# KiCad board Pico-ButtonBoard-v1.kicad_pcb (continued)
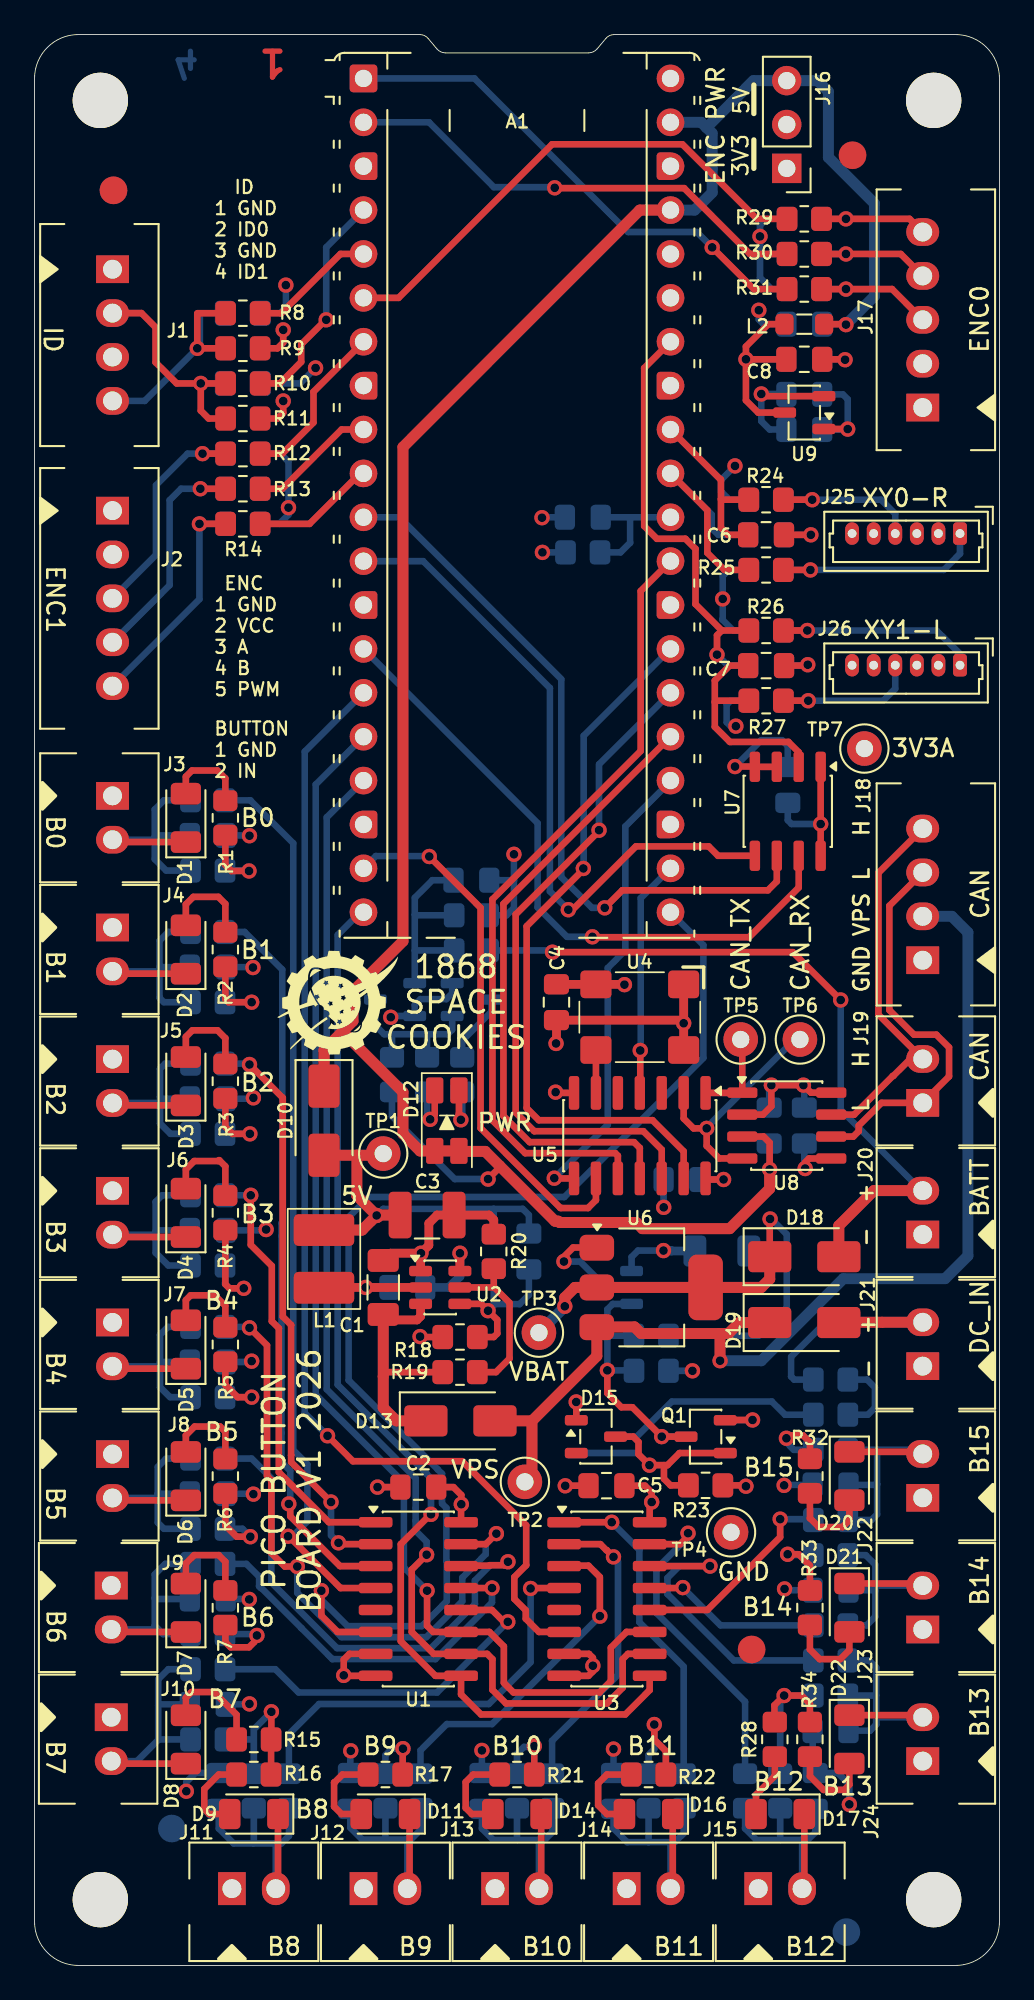
[diagram p0: board, top side]
## Routing (per net, layer and track width the routed paths; a pad name or vN(x,y) marks a point on that pad's centre or on a via; arc(x,y) is an arc through that point) (continued)
Net-(D20-K): length 16
  Top w0.381: D20.1 51.32,29.73 J22.2
  Bottom w0.381: 48.79,27.86 48.74,27.81 C9.1 ; 48.79,27.86 48.79,26.11 48.46,25.78 R38.1 ; 48.79,27.86 48.79,29.84 ; J22.2 51.2,29.84 48.79,29.84 ; 48.79,29.84 R37.2
Net-(D21-A): length 5.2
  Top w0.381: R33.2 44.9,18.29 45.47,17.73 46.66,17.73 47.19,18.26 D21.2
Net-(D21-K): length 15.2
  Top w0.381: D21.1 51.32,22.11 J23.2
  Bottom w0.381: 48.69,21.67 48.69,20.19 48.18,19.69 R40.1 ; 48.69,21.67 48.64,21.72 C10.1 ; 48.69,21.67 48.69,22 ; J23.2 48.7,21.99 48.69,22 ; R39.2 48.13,23.75 48.69,23.19 48.69,22
Net-(D22-A): length 5.1
  Top w0.381: D22.2 47.19,10.46 46.89,10.16 45.69,10.16 44.9,10.95 R34.2
Net-(D22-K): length 15.9
  Top w0.381: J24.2 51.32,14.49 D22.1
  Bottom w0.381: 48.74,13.94 48.74,14.35 48.76,14.37 J24.2 ; 48.74,13.94 48.74,15.65 ; 48.74,13.94 48.39,13.59 C11.1 ; 48.74,15.65 48.72,15.62 R42.2 ; 48.74,15.65 48.74,17.25 48.34,17.65 R41.1
Net-(D23-K): length 16.5
  Top w0.381: Q1.3 v1(36.32,30.61) 34.62,32.31 33.99,32.31 33.17,33.12 v1(33.17,34.44)
  Bottom w0.381: Q1.3 v1(36.32,30.61) ; R54.2 34.69,34.44 v1(33.17,34.44) 33.17,36.45 ; Q2.1 34.57,38.29 33.49,38.29 33.17,37.97 33.17,36.45 ; 33.17,36.45 R53.1
Net-(D24-K): length 12.6
  Bottom w0.381: R36.1 43.46,31.88 42.7,32.64 36.91,32.64 34.87,30.61 D24.3
Net-(J1-Pin_2): length 14
  Top w0.381: v1(9.63,91.57) R10.1 ; v1(9.63,91.57) 9.63,89.99 10.08,89.53 R11.2 ; v1(9.63,91.57) 8.23,91.57 7.01,92.79 7.01,94.82 6.19,95.64 J1.2
  Bottom w0.381: C32.1 v1(9.63,91.57)
Net-(J1-Pin_4): length 15
  Top w0.381: R8.1 9.45,95.63 9.42,95.61 v1(9.42,93.6) R9.2
  Bottom w0.381: J1.4 6.38,90.56 v1(9.42,93.6) 9.58,93.75 9.58,95.61 9.6,95.63 C31.1
Net-(J2-Pin_3): length 13.7
  Top w0.381: v1(9.73,87.5) R12.2
  Bottom w0.381: J2.3 7.04,81.65 7.04,85.67 8.86,87.5 v1(9.73,87.5) R12.2
Net-(J2-Pin_4): length 14.6
  Top w0.381: R13.2 v1(9.6,85.47)
  Bottom w0.381: R13.2 v1(9.6,85.47) 8.48,85.47 7.82,84.81 7.82,79.89 J2.4
Net-(J2-Pin_5): length 14.5
  Top w0.381: v1(9.55,83.44) R14.2
  Bottom w0.381: R14.2 v1(9.55,83.44) 9.55,79.08 J2.5
Net-(J17-Pin_3): length 8
  Top w0.381: R31.2 49.66,97.03 51.44,95.25
  Bottom w0.381: R31.2 v1(46.99,97.03)
Net-(J17-Pin_4): length 7.8
  Top w0.381: R30.2 50.16,99.06 J17.4
  Bottom w0.381: R30.2 v1(46.99,99.06)
Net-(J17-Pin_5): length 7.6
  Top w0.381: R29.2 50.67,101.09 51.44,100.33
  Bottom w0.381: R29.2 v1(46.99,101.09)
Net-(J25-Pin_1): length 13.4
  Top w0.381: v1(44.93,80.77) R25.2
  Bottom w0.381: J25.1 53.59,81.71 52.65,80.77 R25.2
Net-(J25-Pin_4): length 9.6
  Top w0.381: v1(45.03,84.84) R24.2
  Bottom w0.381: J25.4 49.84,84.01 49.02,84.84 R24.2
Net-(J26-Pin_1): length 12.8
  Top w0.381: v1(44.75,77.27) R26.2
  Bottom w0.381: R26.2 52.24,77.27 53.59,75.91 J26.1
Net-(J26-Pin_4): length 9.6
  Top w0.381: v1(44.81,73.2) R27.2
  Bottom w0.381: R27.2 49.15,73.2 49.84,73.9 J26.4
Net-(Q2-D): length 9.2
  Top w0.381: v1(30.66,40.74) 30.66,41.02 31.19,41.55 32.55,41.55 U6.1
  Bottom w0.381: Q2.3 33.1,39.24 31.6,40.74 v1(30.66,40.74)
Net-(Q3-D): length 4
  Bottom w0.381: Q3.3 26.46,55.21 24.76,53.52 R62.2
Net-(Q3-G): length 9.8
  Bottom w0.381: Q4.3 19.74,54.4 20.24,53.9 20.7,53.9 ; 20.7,53.9 R65.1 ; 20.7,53.9 22.68,53.9 ; Q3.1 24.19,54.16 23.93,53.9 22.68,53.9 ; 22.68,53.9 22.73,53.85 R63.2
Net-(Q4-G): length 12.2
  Bottom w0.381: R61.2 22.02,58.75 ; 22.02,58.75 22.02,60.81 ; 22.02,58.75 22.02,56.86 Q4.1 ; 22.02,60.81 22.05,60.78 R60.1 ; 22.02,60.81 22.02,61.8 23.04,62.81 C28.1
Net-(R35-Pad1): length 4.7
  Bottom w0.381: R35.1 48.21,33.91 48.67,33.45 48.67,32.28 48.26,31.88 R36.2
Net-(U1-I0): length 52.3
  Top w0.381: U1.4 17.72,21.84 14.72,24.84 v1(14.68,24.84)
  Bottom w0.381: R72.2 12.5,67.44 14.98,64.95 14.98,29.82 15.8,29.01 15.8,25.7 14.94,24.84 v1(14.68,24.84)
Net-(U1-I1): length 42.3
  Top w0.381: v1(14.73,26.71) 14.81,26.63 14.81,26 17.69,23.11 U1.3
  Bottom w0.381: v1(14.73,26.71) 14.81,26.8 14.81,28.63 14.3,29.13 14.3,30.83 14.3,30.83 14.3,42.23 14.3,42.23 14.3,42.96 14.35,43.01 14.35,57.64 12.17,59.82 R74.2
Net-(U1-I2): length 33.4
  Top w0.381: v1(12.45,52.15) 13.41,51.18 14.38,50.22 14.38,37.55 14.86,37.07 14.86,29.13 v1(17.17,26.82) ; v1(17.6,24.46) 17.68,24.38 19.75,24.38
  Bottom w0.381: v1(12.45,52.15) 12.4,52.2 R76.2 ; v1(17.17,26.82) 17.17,24.89 v1(17.6,24.46)
Net-(U1-I3): length 25
  Top w0.381: v1(12.52,44.58) 12.52,41.71 13.74,40.49 13.74,37.29 14.15,36.88 14.15,28.55 17.04,25.65 U1.1
  Bottom w0.381: R78.2 v1(12.52,44.58)
Net-(U1-I4): length 37
  Top w0.381: v1(15.22,23.09) 14.49,23.09 13.72,23.86 13.72,28.08 13.46,28.34 13.46,35.89 v1(12.45,36.91) ; v1(26.75,24.99) 26.14,24.38 24.7,24.38
  Bottom w0.381: v1(15.21,23.09) 15.21,21.56 17.78,19 22.69,19 24.77,21.08 24.77,22.45 26.13,23.8 26.13,24.37 26.67,24.92 26.82,24.92 v1(26.75,24.99) ; R80.2 12.4,36.96 v1(12.45,36.91)
Net-(U1-I5): length 30.2
  Top w0.381: v1(27.42,23.37) 27.22,23.16 26.37,23.16 26.34,23.14 24.73,23.14 U1.14
  Bottom w0.381: R82.2 12.57,29.34 13.72,28.19 13.72,22.16 17.51,18.37 22.95,18.37 25.5,20.91 25.5,22.28 26.39,23.16 27.22,23.16 v1(27.42,23.37)
Net-(U1-I6): length 22.1
  Top w0.381: v1(26.49,21.84) U1.13
  Bottom w0.381: R84.2 12.27,23.24 13,22.5 13,21.95 13.11,21.84 13.14,21.84 15.45,19.53 15.45,19.53 17.25,17.73 23.22,17.73 26.49,21.01 v1(26.49,21.84)
Net-(U1-I7): length 21.7
  Top w0.381: v1(27.41,19.89) 27.18,19.89 26.49,20.57 U1.12
  Bottom w0.381: R86.2 13.94,17.14 15.29,15.8 23.32,15.8 v1(27.41,19.89) 27.41,19.84
Net-(U2-BOOT): length 4.7
  Top w0.508: U2.6 24.63,41.22 v1(24.64,41.22)
  Bottom w0.508: C29.1 24,39.24 24.64,39.88 v1(24.64,41.22)
Net-(U2-EN): length 9.7
  Top w0.381: 26.59,39.27 R20.1 ; 26.59,39.27 26.57,39.24 U2.5 ; 26.59,39.27 27.51,38.35 27.51,35.13 26.72,34.34 R19.1
Net-(U2-FB): length 11.4
  Top w0.381: R18.1 26.59,36.37 26.8,36.58 26.8,37.36 v1(26.26,37.9) 25.87,38.29 U2.4
  Bottom w0.381: C26.2 28.63,38.81 28.09,38.28 26.64,38.28 v1(26.26,37.9) 26.59,38.23 R59.2
Net-(U2-SW): length 7
  Top w0.508: 16.76,39.22 16.78,39.24 U2.2
  Bottom w0.508: v1(19.18,39.24) C29.2
Net-(U3-I0): length 24.2
  Top w0.381: v1(28.73,21.82) 28.75,21.84 U3.4
  Bottom w0.381: v1(28.73,21.82) 28.73,17.55 26.31,15.13 16.48,15.13 14.73,13.39 R67.2
Net-(U3-I1): length 19.6
  Top w0.381: U3.3 30.7,23.14 32.08,23.14 32.74,22.48 32.74,20.22 v1(32.74,20.22)
  Bottom w0.381: R64.2 22.35,12.45 23.88,13.97 26.49,13.97 v1(32.74,20.22)
Net-(U3-I2): length 17.4
  Top w0.381: 30.67,24.38 32.77,24.38 33.12,24.03 33.14,24.03 v1(33.53,23.65)
  Bottom w0.381: R57.2 29.97,13 33.79,16.82 33.79,23.39 v1(33.53,23.65)
Net-(U3-I3): length 19
  Top w0.381: v1(33.43,25.65) U3.1
  Bottom w0.381: R52.2 37.59,17.3 35.03,19.86 35.03,24.05 v1(33.43,25.65)
Net-(U3-I4): length 19.4
  Top w0.381: 35.62,24.38 37.39,24.38 37.85,24.84 v1(37.85,25.02)
  Bottom w0.381: R51.2 41.15,15.27 36.02,20.4 36.02,22.96 37.85,24.79 v1(37.85,25.02)
Net-(U3-I5): length 17.2
  Top w0.381: v1(39.12,23.11) U3.14
  Bottom w0.381: v1(39.12,23.11) 37.34,23.11 36.65,22.43 36.65,21.5 40.5,17.65 R41.2
Net-(U3-I6): length 10.4
  Top w0.381: v1(37.54,21.87) 37.52,21.84 U3.13
  Bottom w0.381: v1(37.54,21.87) 39.73,19.69 R40.2
Net-(U3-I7): length 12.3
  Top w0.381: U3.12 38.96,20.57 43.18,24.79 v1(43.18,25.83)
  Bottom w0.381: v1(43.18,25.83) 45.05,25.83 R38.2
Net-(U4-OUT): length 2.5
  Top w0.381: U4.3 U5.6
Net-(U7-IN+): length 13.3
  Top w0.381: 39.4,73.13 39.4,74.37 40.26,75.23 C7.1 ; 39.4,73.13 39.47,73.2 R27.1 ; 39.4,73.13 39.4,71.69 40.27,70.82 43.66,70.82 44.26,70.22 U7.2
Net-(U9-VI): length 13.1
  Top w0.381: C8.1 v1(41.2,92.96) ; v1(41.2,92.96) 41.2,93.7 42.49,95 L2.2 ; v1(41.2,92.96) 41.2,90.59 41.91,89.88 U9.3
  Bottom w0.381: C8.1 v1(41.2,92.96)

## Copper pours and planes (outline as drawn; the poured copper is in the pictures)
+3V3 on In1.Cu: 0,111.76 55.88,111.76 55.88,0 0,0
+3V3A on In1.Cu: 35.43,97.92 39.12,98 40.39,96.77 40.39,94.74 41.27,93.94 47.62,93.98 48.13,93.47 48.13,89.92 50.16,88.39 55.37,88.27 55.37,64.77 43.69,64.77 38.21,73.66 38.21,84.45 37.47,85.09 35.45,85.09
GND on In2.Cu: 0,111.76 0,0 55.88,0 55.88,111.76
/Encoder Inputs/ENC_VCC on In1.Cu: 45.21,105 48.1,101.97 48.13,89.92 50.16,88.39 55.75,88.27 55.88,111.76 0,111.76 0,77.86 7.49,77.86 7.49,100.96 17.14,107.7 40.26,107.74 42.29,105.03

## Text on the board
Bottom: 4
Top: 1
F.Silkscreen: ID / 1 GND / 2 ID0 / 3 GND / 4 ID1 | ENC / 1 GND / 2 VCC / 3 A / 4 B / 5 PWM | BUTTON / 1 GND / 2 IN | 3V3 | 5V | H | L | VPS | GND | + | - | 1868 / SPACE / COOKIES | PICO BUTTON / BOARD V1 2026
In1.Cu: 2
In2.Cu: 3
User.1: F.Silkscreen | F.Paste | F.Mask | F.Cu | Dielectric | In1.Cu | In2.Cu | B.Cu | B.Mask | B.Paste | B.Silkscreen | Top Silk Screen | Top Solder Paste | Top Solder Mask | copper | prepreg | core | Bottom Solder Mask | Bottom Solder Paste | Bottom Silk Screen | Not specified | FR4 | 0 mils | 0.3937 mils | 1.37795 mils | 3.93701 mils | 48.8189 mils | 1 | 3.3 | 4.5 | 0 | 0.02 | Copper Layer Count: | Board overall dimensions: | Min track/spacing: | Copper Finish: | Castellated pads: | Edge card connectors: | 4 | 2200.00 mils x 4400.00 mils | 15.00 mils / 10.00 mils | None | No | Board Thickness: | Min hole diameter: | Impedance Control: | Plated Board Edge: | 62.99 mils | 20.00 mils | Layer Name | Type | Material | Thickness (mils) | Color | Epsilon R | Loss Tangent | BOARD CHARACTERISTICS
User.2: FRONT | BACK
